# KiCad board InsidePanel.kicad_pcb
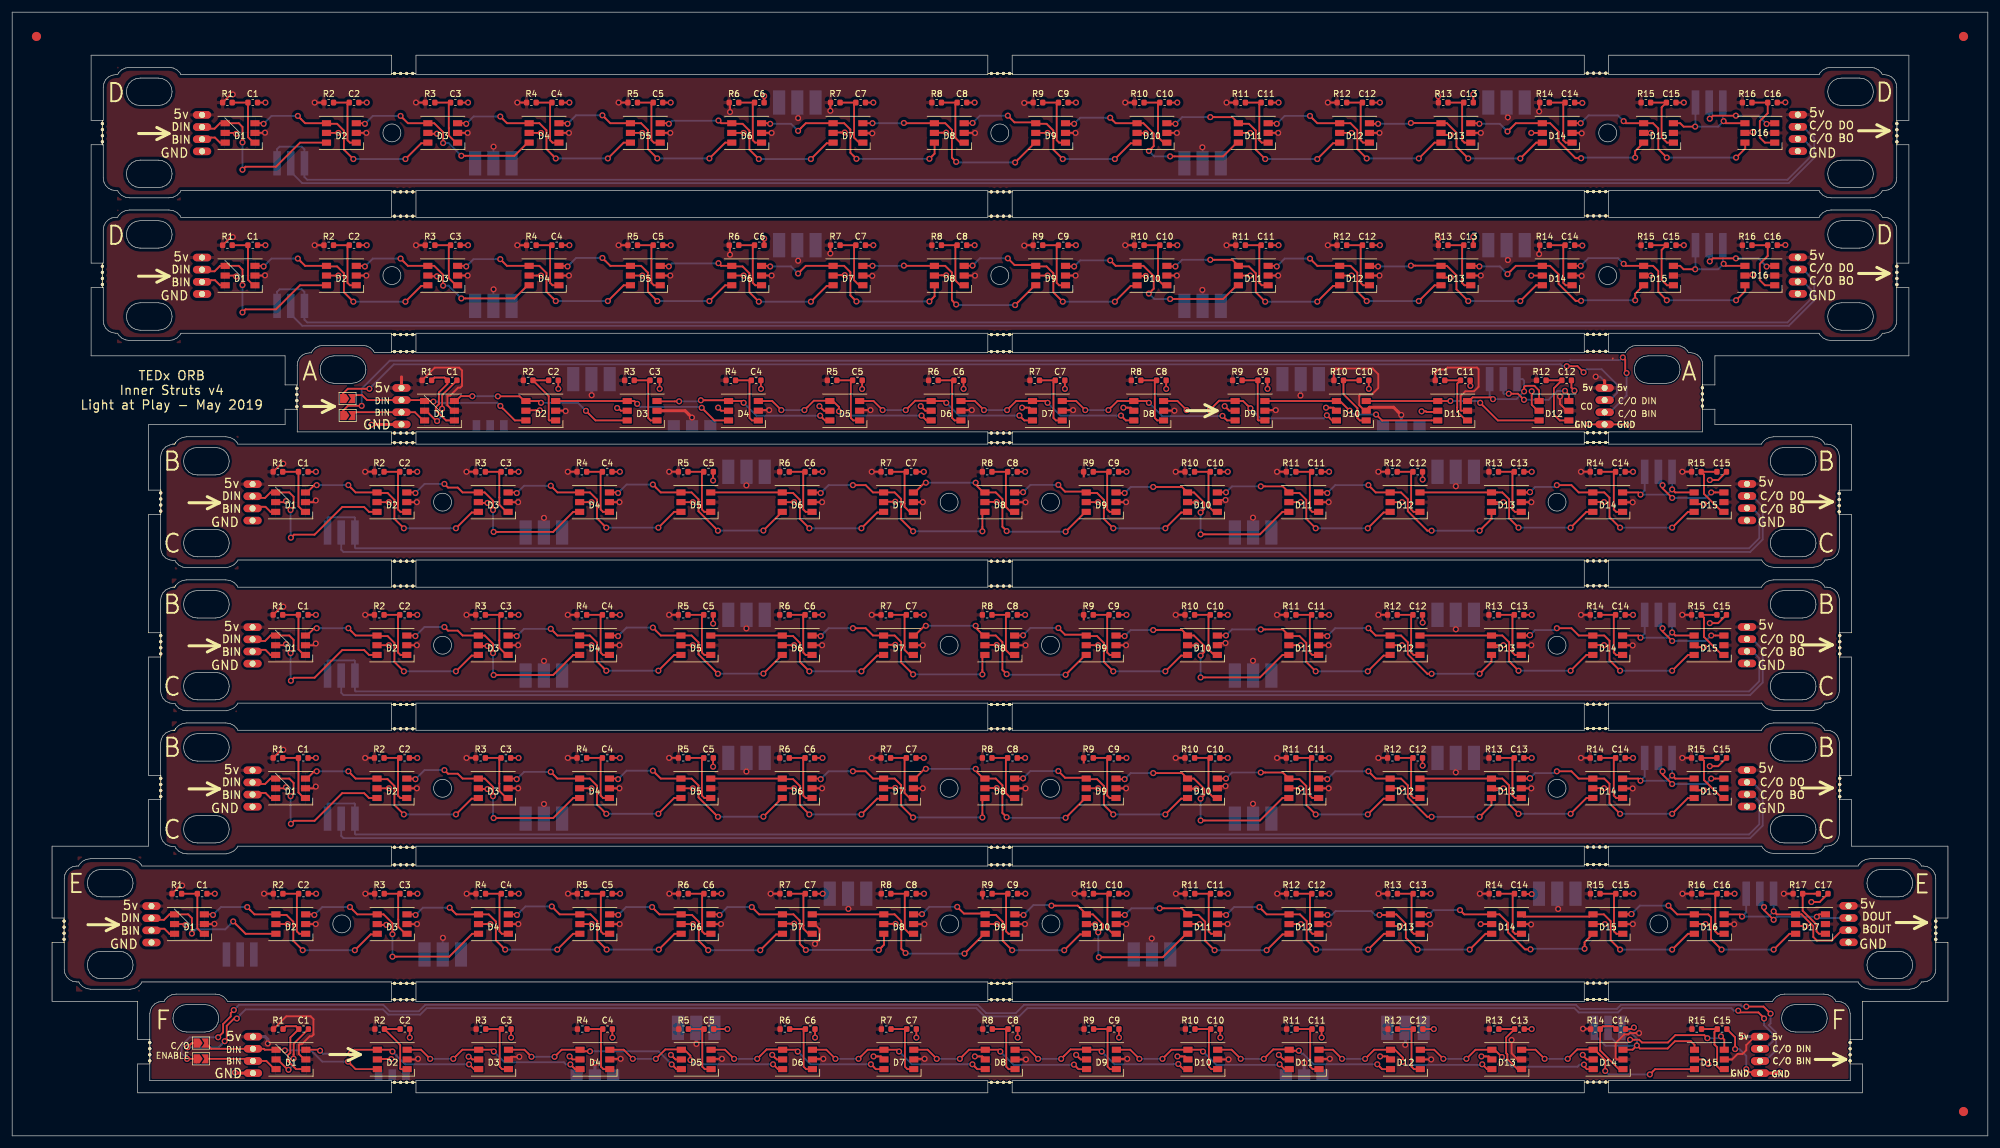
[diagram p0: board, top side]
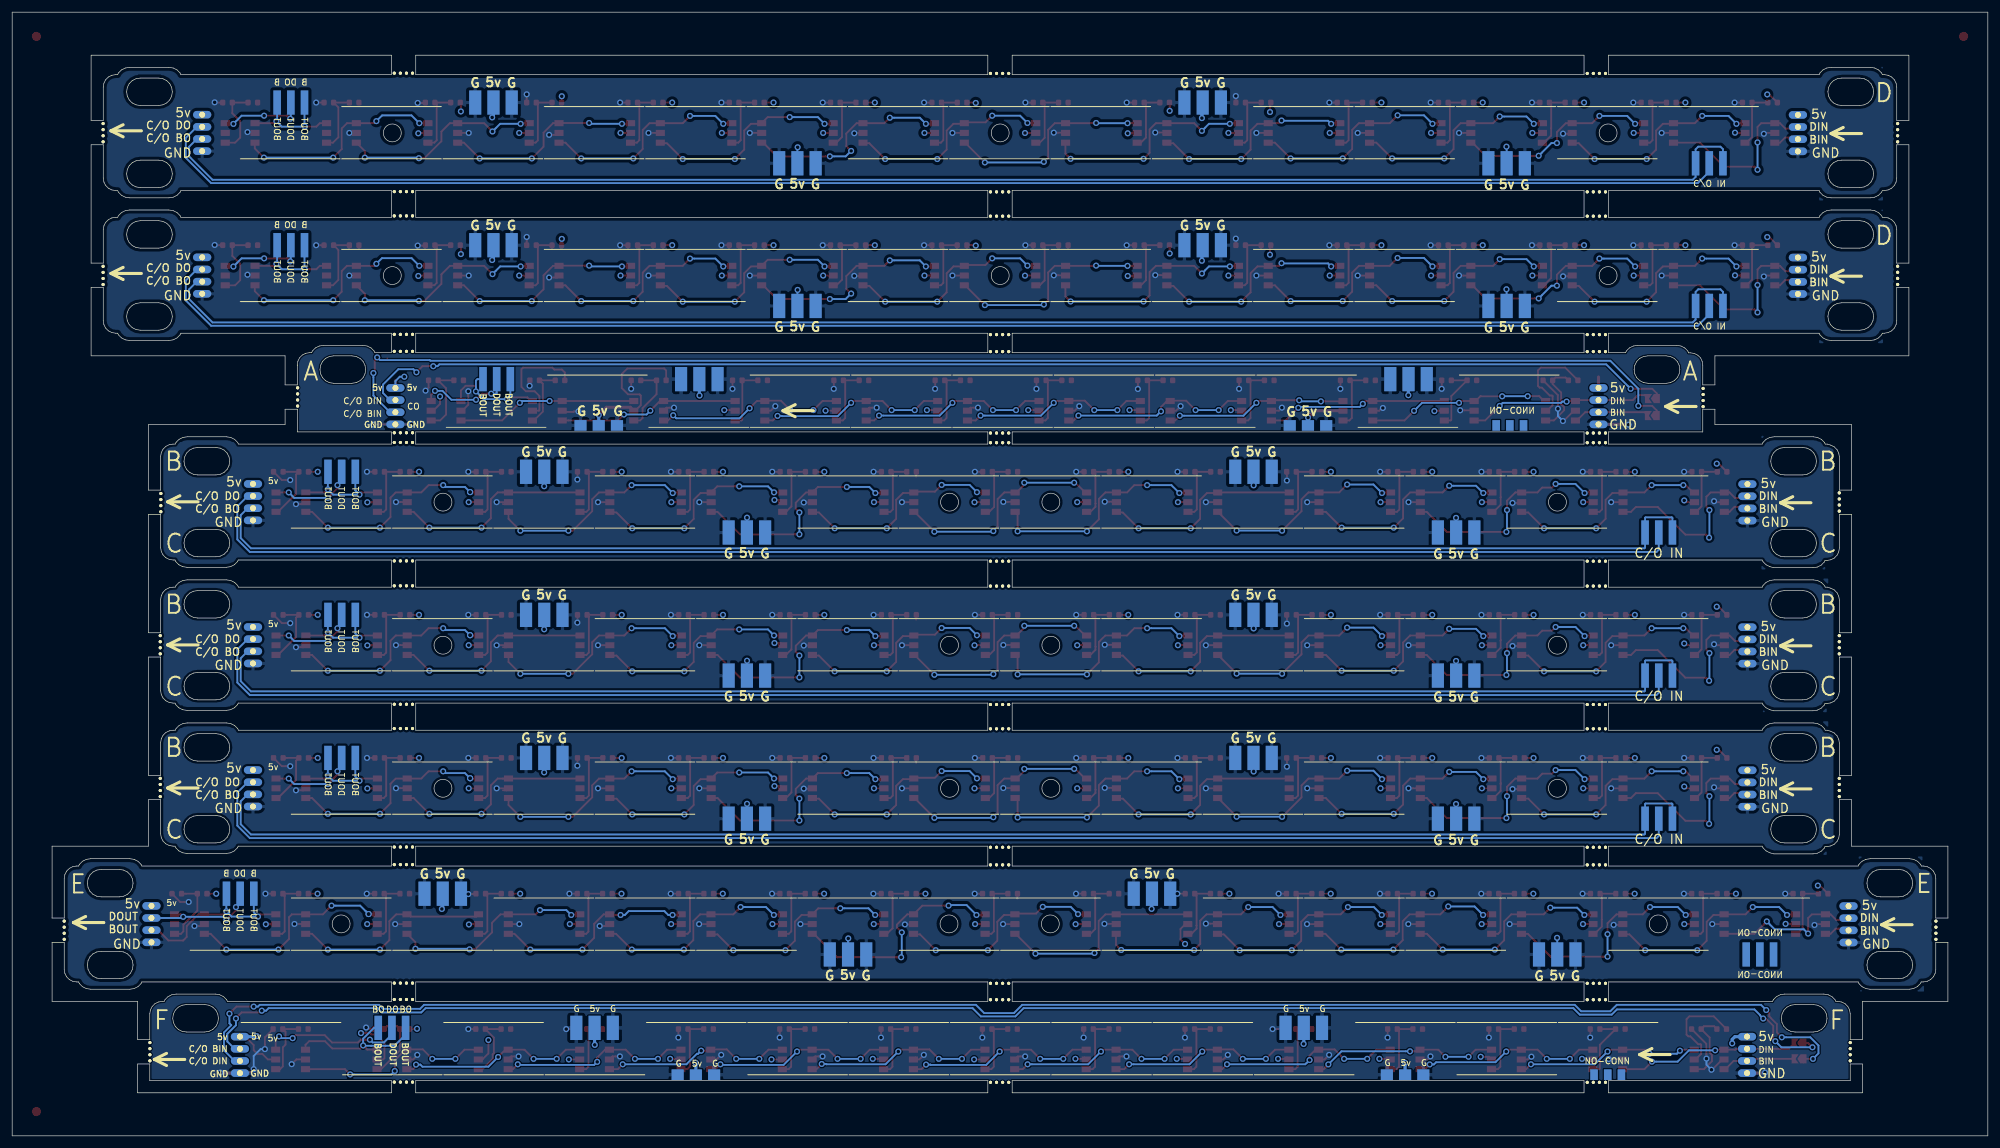
[diagram p1: board, bottom side, seen from below]

Outline 325 x 185 mm; copper layers: Top, Bottom. Coordinates in mm from the lower left corner of the outline.

## Placement (name value [footprint] x y rotation side)
C1  .1uF  [C_0603_1608Metric]  72.38 124.38 0 top
C1#2  .1uF  [C_0603_1608Metric]  47.88 62.22 0 top
C1#3  .1uF  [C_0603_1608Metric]  31.25 39.86 0 top
C1#4  .1uF  [C_0603_1608Metric]  39.58 170.12 0 top
C1#5  .1uF  [C_0603_1608Metric]  47.95 17.58 0 top
C1#6  .1uF  [C_0603_1608Metric]  47.88 85.77 0 top
C1#7  .1uF  [C_0603_1608Metric]  47.88 109.33 0 top
C1#8  .1uF  [C_0603_1608Metric]  39.58 146.63 0 top
C2  .1uF  [C_0603_1608Metric]  89.05 124.38 0 top
C2#2  .1uF  [C_0603_1608Metric]  64.55 62.22 0 top
C2#3  .1uF  [C_0603_1608Metric]  47.92 39.86 0 top
C2#4  .1uF  [C_0603_1608Metric]  56.24 170.12 0 top
C2#5  .1uF  [C_0603_1608Metric]  64.61 17.58 0 top
C2#6  .1uF  [C_0603_1608Metric]  64.55 85.77 0 top
C2#7  .1uF  [C_0603_1608Metric]  64.55 109.33 0 top
C2#8  .1uF  [C_0603_1608Metric]  56.24 146.63 0 top
C3  .1uF  [C_0603_1608Metric]  105.71 124.38 0 top
C3#2  .1uF  [C_0603_1608Metric]  81.22 62.22 0 top
C3#3  .1uF  [C_0603_1608Metric]  64.58 39.86 0 top
C3#4  .1uF  [C_0603_1608Metric]  72.91 170.12 0 top
C3#5  .1uF  [C_0603_1608Metric]  81.28 17.58 0 top
C3#6  .1uF  [C_0603_1608Metric]  81.22 85.77 0 top
C3#7  .1uF  [C_0603_1608Metric]  81.22 109.33 0 top
C3#8  .1uF  [C_0603_1608Metric]  72.91 146.63 0 top
C4  .1uF  [C_0603_1608Metric]  122.38 124.38 0 top
C4#2  .1uF  [C_0603_1608Metric]  97.88 62.22 0 top
C4#3  .1uF  [C_0603_1608Metric]  81.25 39.86 0 top
C4#4  .1uF  [C_0603_1608Metric]  89.58 170.12 0 top
C4#5  .1uF  [C_0603_1608Metric]  97.95 17.58 0 top
C4#6  .1uF  [C_0603_1608Metric]  97.88 85.77 0 top
C4#7  .1uF  [C_0603_1608Metric]  97.88 109.33 0 top
C4#8  .1uF  [C_0603_1608Metric]  89.58 146.63 0 top
C5  .1uF  [C_0603_1608Metric]  139.05 124.38 0 top
C5#2  .1uF  [C_0603_1608Metric]  114.55 62.22 0 top
C5#3  .1uF  [C_0603_1608Metric]  97.92 39.86 0 top
C5#4  .1uF  [C_0603_1608Metric]  106.24 170.12 0 top
C5#5  .1uF  [C_0603_1608Metric]  114.61 17.58 0 top
C5#6  .1uF  [C_0603_1608Metric]  114.55 85.77 0 top
C5#7  .1uF  [C_0603_1608Metric]  114.55 109.33 0 top
C5#8  .1uF  [C_0603_1608Metric]  106.24 146.63 0 top
C6  .1uF  [C_0603_1608Metric]  155.71 124.38 0 top
C6#2  .1uF  [C_0603_1608Metric]  131.22 62.22 0 top
C6#3  .1uF  [C_0603_1608Metric]  114.58 39.86 0 top
C6#4  .1uF  [C_0603_1608Metric]  122.91 170.12 0 top
C6#5  .1uF  [C_0603_1608Metric]  131.28 17.58 0 top
C6#6  .1uF  [C_0603_1608Metric]  131.22 85.77 0 top
C6#7  .1uF  [C_0603_1608Metric]  131.22 109.33 0 top
C6#8  .1uF  [C_0603_1608Metric]  122.91 146.63 0 top
C7  .1uF  [C_0603_1608Metric]  172.38 124.38 0 top
C7#2  .1uF  [C_0603_1608Metric]  147.88 62.22 0 top
C7#3  .1uF  [C_0603_1608Metric]  131.25 39.86 0 top
C7#4  .1uF  [C_0603_1608Metric]  139.58 170.12 0 top
C7#5  .1uF  [C_0603_1608Metric]  147.95 17.58 0 top
C7#6  .1uF  [C_0603_1608Metric]  147.88 85.77 0 top
C7#7  .1uF  [C_0603_1608Metric]  147.88 109.33 0 top
C7#8  .1uF  [C_0603_1608Metric]  139.58 146.63 0 top
C8  .1uF  [C_0603_1608Metric]  189.05 124.38 0 top
C8#2  .1uF  [C_0603_1608Metric]  164.55 62.22 0 top
C8#3  .1uF  [C_0603_1608Metric]  147.92 39.86 0 top
C8#4  .1uF  [C_0603_1608Metric]  156.24 170.12 0 top
C8#5  .1uF  [C_0603_1608Metric]  164.61 17.58 0 top
C8#6  .1uF  [C_0603_1608Metric]  164.55 85.77 0 top
C8#7  .1uF  [C_0603_1608Metric]  164.55 109.33 0 top
C8#8  .1uF  [C_0603_1608Metric]  156.24 146.63 0 top
C9  .1uF  [C_0603_1608Metric]  205.71 124.38 0 top
C9#2  .1uF  [C_0603_1608Metric]  181.22 62.22 0 top
C9#3  .1uF  [C_0603_1608Metric]  164.58 39.86 0 top
C9#4  .1uF  [C_0603_1608Metric]  172.91 170.12 0 top
C9#5  .1uF  [C_0603_1608Metric]  181.28 17.58 0 top
C9#6  .1uF  [C_0603_1608Metric]  181.22 85.77 0 top
C9#7  .1uF  [C_0603_1608Metric]  181.22 109.33 0 top
C9#8  .1uF  [C_0603_1608Metric]  172.91 146.63 0 top
C10  .1uF  [C_0603_1608Metric]  222.38 124.38 0 top
C10#2  .1uF  [C_0603_1608Metric]  197.88 62.22 0 top
C10#3  .1uF  [C_0603_1608Metric]  181.25 39.86 0 top
C10#4  .1uF  [C_0603_1608Metric]  189.58 170.12 0 top
C10#5  .1uF  [C_0603_1608Metric]  197.95 17.58 0 top
C10#6  .1uF  [C_0603_1608Metric]  197.88 85.77 0 top
C10#7  .1uF  [C_0603_1608Metric]  197.88 109.33 0 top
C10#8  .1uF  [C_0603_1608Metric]  189.58 146.63 0 top
C11  .1uF  [C_0603_1608Metric]  239.05 124.38 0 top
C11#2  .1uF  [C_0603_1608Metric]  214.55 62.22 0 top
C11#3  .1uF  [C_0603_1608Metric]  197.92 39.86 0 top
C11#4  .1uF  [C_0603_1608Metric]  206.24 170.12 0 top
C11#5  .1uF  [C_0603_1608Metric]  214.61 17.58 0 top
C11#6  .1uF  [C_0603_1608Metric]  214.55 85.77 0 top
C11#7  .1uF  [C_0603_1608Metric]  214.55 109.33 0 top
C11#8  .1uF  [C_0603_1608Metric]  206.24 146.63 0 top
C12  .1uF  [C_0603_1608Metric]  255.71 124.38 0 top
C12#2  .1uF  [C_0603_1608Metric]  231.22 62.22 0 top
C12#3  .1uF  [C_0603_1608Metric]  214.58 39.86 0 top
C12#4  .1uF  [C_0603_1608Metric]  222.91 170.12 0 top
C12#5  .1uF  [C_0603_1608Metric]  231.28 17.58 0 top
C12#6  .1uF  [C_0603_1608Metric]  231.22 85.77 0 top
C12#7  .1uF  [C_0603_1608Metric]  231.22 109.33 0 top
C12#8  .1uF  [C_0603_1608Metric]  222.91 146.63 0 top
C13  .1uF  [C_0603_1608Metric]  247.88 62.22 0 top
C13#2  .1uF  [C_0603_1608Metric]  231.25 39.86 0 top
C13#3  .1uF  [C_0603_1608Metric]  239.58 170.12 0 top
C13#4  .1uF  [C_0603_1608Metric]  247.95 17.58 0 top
C13#5  .1uF  [C_0603_1608Metric]  247.88 85.77 0 top
C13#6  .1uF  [C_0603_1608Metric]  247.88 109.33 0 top
C13#7  .1uF  [C_0603_1608Metric]  239.58 146.63 0 top
C14  .1uF  [C_0603_1608Metric]  264.55 62.22 0 top
C14#2  .1uF  [C_0603_1608Metric]  247.92 39.86 0 top
C14#3  .1uF  [C_0603_1608Metric]  256.24 170.12 0 top
C14#4  .1uF  [C_0603_1608Metric]  264.61 17.58 0 top
C14#5  .1uF  [C_0603_1608Metric]  264.55 85.77 0 top
C14#6  .1uF  [C_0603_1608Metric]  264.55 109.33 0 top
C14#7  .1uF  [C_0603_1608Metric]  256.24 146.63 0 top
C15  .1uF  [C_0603_1608Metric]  281.22 62.22 0 top
C15#2  .1uF  [C_0603_1608Metric]  264.58 39.86 0 top
C15#3  .1uF  [C_0603_1608Metric]  272.91 170.12 0 top
C15#4  .1uF  [C_0603_1608Metric]  281.28 17.58 0 top
C15#5  .1uF  [C_0603_1608Metric]  281.22 85.77 0 top
C15#6  .1uF  [C_0603_1608Metric]  281.22 109.33 0 top
C15#7  .1uF  [C_0603_1608Metric]  272.91 146.63 0 top
C16  .1uF  [C_0603_1608Metric]  281.25 39.86 0 top
C16#2  .1uF  [C_0603_1608Metric]  289.58 170.12 0 top
C16#3  .1uF  [C_0603_1608Metric]  289.58 146.63 0 top
C17  .1uF  [C_0603_1608Metric]  297.92 39.86 0 top
D1  WS2813  [LED_WS2812_PLCC6_5.0x5.0mm_P1.6mm]  70.3 119.38 180 top
D1#2  WS2813  [LED_WS2812_PLCC6_5.0x5.0mm_P1.6mm]  45.8 57.22 180 top
D1#3  WS2813  [LED_WS2812_PLCC6_5.0x5.0mm_P1.6mm]  29.17 34.86 180 top
D1#4  WS2813  [LED_WS2812_PLCC6_5.0x5.0mm_P1.6mm]  37.49 165.12 180 top
D1#5  WS2813  [LED_WS2812_PLCC6_5.0x5.0mm_P1.6mm]  45.86 12.58 180 top
D1#6  WS2813  [LED_WS2812_PLCC6_5.0x5.0mm_P1.6mm]  45.8 80.77 180 top
D1#7  WS2813  [LED_WS2812_PLCC6_5.0x5.0mm_P1.6mm]  45.8 104.33 180 top
D1#8  WS2813  [LED_WS2812_PLCC6_5.0x5.0mm_P1.6mm]  37.49 141.63 180 top
D2  WS2813  [LED_WS2812_PLCC6_5.0x5.0mm_P1.6mm]  86.96 119.38 180 top
D2#2  WS2813  [LED_WS2812_PLCC6_5.0x5.0mm_P1.6mm]  62.47 57.22 180 top
D2#3  WS2813  [LED_WS2812_PLCC6_5.0x5.0mm_P1.6mm]  45.83 34.86 180 top
D2#4  WS2813  [LED_WS2812_PLCC6_5.0x5.0mm_P1.6mm]  54.16 165.12 180 top
D2#5  WS2813  [LED_WS2812_PLCC6_5.0x5.0mm_P1.6mm]  62.53 12.58 180 top
D2#6  WS2813  [LED_WS2812_PLCC6_5.0x5.0mm_P1.6mm]  62.47 80.77 180 top
D2#7  WS2813  [LED_WS2812_PLCC6_5.0x5.0mm_P1.6mm]  62.47 104.33 180 top
D2#8  WS2813  [LED_WS2812_PLCC6_5.0x5.0mm_P1.6mm]  54.16 141.63 180 top
D3  WS2813  [LED_WS2812_PLCC6_5.0x5.0mm_P1.6mm]  103.63 119.38 180 top
D3#2  WS2813  [LED_WS2812_PLCC6_5.0x5.0mm_P1.6mm]  79.13 57.22 180 top
D3#3  WS2813  [LED_WS2812_PLCC6_5.0x5.0mm_P1.6mm]  62.5 34.86 180 top
D3#4  WS2813  [LED_WS2812_PLCC6_5.0x5.0mm_P1.6mm]  70.83 165.12 180 top
D3#5  WS2813  [LED_WS2812_PLCC6_5.0x5.0mm_P1.6mm]  79.2 12.58 180 top
D3#6  WS2813  [LED_WS2812_PLCC6_5.0x5.0mm_P1.6mm]  79.13 80.77 180 top
D3#7  WS2813  [LED_WS2812_PLCC6_5.0x5.0mm_P1.6mm]  79.13 104.33 180 top
D3#8  WS2813  [LED_WS2812_PLCC6_5.0x5.0mm_P1.6mm]  70.83 141.63 180 top
D4  WS2813  [LED_WS2812_PLCC6_5.0x5.0mm_P1.6mm]  120.3 119.38 180 top
D4#2  WS2813  [LED_WS2812_PLCC6_5.0x5.0mm_P1.6mm]  95.8 57.22 180 top
D4#3  WS2813  [LED_WS2812_PLCC6_5.0x5.0mm_P1.6mm]  79.17 34.86 180 top
D4#4  WS2813  [LED_WS2812_PLCC6_5.0x5.0mm_P1.6mm]  87.49 165.12 180 top
D4#5  WS2813  [LED_WS2812_PLCC6_5.0x5.0mm_P1.6mm]  95.86 12.58 180 top
D4#6  WS2813  [LED_WS2812_PLCC6_5.0x5.0mm_P1.6mm]  95.8 80.77 180 top
D4#7  WS2813  [LED_WS2812_PLCC6_5.0x5.0mm_P1.6mm]  95.8 104.33 180 top
D4#8  WS2813  [LED_WS2812_PLCC6_5.0x5.0mm_P1.6mm]  87.49 141.63 180 top
D5  WS2813  [LED_WS2812_PLCC6_5.0x5.0mm_P1.6mm]  136.96 119.38 180 top
D5#2  WS2813  [LED_WS2812_PLCC6_5.0x5.0mm_P1.6mm]  112.47 57.22 180 top
D5#3  WS2813  [LED_WS2812_PLCC6_5.0x5.0mm_P1.6mm]  95.83 34.86 180 top
D5#4  WS2813  [LED_WS2812_PLCC6_5.0x5.0mm_P1.6mm]  104.16 165.12 180 top
D5#5  WS2813  [LED_WS2812_PLCC6_5.0x5.0mm_P1.6mm]  112.53 12.58 180 top
D5#6  WS2813  [LED_WS2812_PLCC6_5.0x5.0mm_P1.6mm]  112.47 80.77 180 top
D5#7  WS2813  [LED_WS2812_PLCC6_5.0x5.0mm_P1.6mm]  112.47 104.33 180 top
D5#8  WS2813  [LED_WS2812_PLCC6_5.0x5.0mm_P1.6mm]  104.16 141.63 180 top
D6  WS2813  [LED_WS2812_PLCC6_5.0x5.0mm_P1.6mm]  153.63 119.38 180 top
D6#2  WS2813  [LED_WS2812_PLCC6_5.0x5.0mm_P1.6mm]  129.13 57.22 180 top
D6#3  WS2813  [LED_WS2812_PLCC6_5.0x5.0mm_P1.6mm]  112.5 34.86 180 top
D6#4  WS2813  [LED_WS2812_PLCC6_5.0x5.0mm_P1.6mm]  120.83 165.12 180 top
D6#5  WS2813  [LED_WS2812_PLCC6_5.0x5.0mm_P1.6mm]  129.2 12.58 180 top
D6#6  WS2813  [LED_WS2812_PLCC6_5.0x5.0mm_P1.6mm]  129.13 80.77 180 top
D6#7  WS2813  [LED_WS2812_PLCC6_5.0x5.0mm_P1.6mm]  129.13 104.33 180 top
D6#8  WS2813  [LED_WS2812_PLCC6_5.0x5.0mm_P1.6mm]  120.83 141.63 180 top
D7  WS2813  [LED_WS2812_PLCC6_5.0x5.0mm_P1.6mm]  170.3 119.38 180 top
D7#2  WS2813  [LED_WS2812_PLCC6_5.0x5.0mm_P1.6mm]  145.8 57.22 180 top
D7#3  WS2813  [LED_WS2812_PLCC6_5.0x5.0mm_P1.6mm]  129.17 34.86 180 top
D7#4  WS2813  [LED_WS2812_PLCC6_5.0x5.0mm_P1.6mm]  137.49 165.12 180 top
D7#5  WS2813  [LED_WS2812_PLCC6_5.0x5.0mm_P1.6mm]  145.86 12.58 180 top
D7#6  WS2813  [LED_WS2812_PLCC6_5.0x5.0mm_P1.6mm]  145.8 80.77 180 top
D7#7  WS2813  [LED_WS2812_PLCC6_5.0x5.0mm_P1.6mm]  145.8 104.33 180 top
D7#8  WS2813  [LED_WS2812_PLCC6_5.0x5.0mm_P1.6mm]  137.49 141.63 180 top
D8  WS2813  [LED_WS2812_PLCC6_5.0x5.0mm_P1.6mm]  186.96 119.38 180 top
D8#2  WS2813  [LED_WS2812_PLCC6_5.0x5.0mm_P1.6mm]  162.47 57.22 180 top
D8#3  WS2813  [LED_WS2812_PLCC6_5.0x5.0mm_P1.6mm]  145.83 34.86 180 top
D8#4  WS2813  [LED_WS2812_PLCC6_5.0x5.0mm_P1.6mm]  154.16 165.12 180 top
D8#5  WS2813  [LED_WS2812_PLCC6_5.0x5.0mm_P1.6mm]  162.53 12.58 180 top
D8#6  WS2813  [LED_WS2812_PLCC6_5.0x5.0mm_P1.6mm]  162.47 80.77 180 top
D8#7  WS2813  [LED_WS2812_PLCC6_5.0x5.0mm_P1.6mm]  162.47 104.33 180 top
D8#8  WS2813  [LED_WS2812_PLCC6_5.0x5.0mm_P1.6mm]  154.16 141.63 180 top
D9  WS2813  [LED_WS2812_PLCC6_5.0x5.0mm_P1.6mm]  203.63 119.38 180 top
D9#2  WS2813  [LED_WS2812_PLCC6_5.0x5.0mm_P1.6mm]  179.13 57.22 180 top
D9#3  WS2813  [LED_WS2812_PLCC6_5.0x5.0mm_P1.6mm]  162.5 34.86 180 top
D9#4  WS2813  [LED_WS2812_PLCC6_5.0x5.0mm_P1.6mm]  170.83 165.12 180 top
D9#5  WS2813  [LED_WS2812_PLCC6_5.0x5.0mm_P1.6mm]  179.2 12.58 180 top
D9#6  WS2813  [LED_WS2812_PLCC6_5.0x5.0mm_P1.6mm]  179.13 80.77 180 top
D9#7  WS2813  [LED_WS2812_PLCC6_5.0x5.0mm_P1.6mm]  179.13 104.33 180 top
D9#8  WS2813  [LED_WS2812_PLCC6_5.0x5.0mm_P1.6mm]  170.83 141.63 180 top
D10  WS2813  [LED_WS2812_PLCC6_5.0x5.0mm_P1.6mm]  220.3 119.38 180 top
D10#2  WS2813  [LED_WS2812_PLCC6_5.0x5.0mm_P1.6mm]  195.8 57.22 180 top
D10#3  WS2813  [LED_WS2812_PLCC6_5.0x5.0mm_P1.6mm]  179.17 34.86 180 top
D10#4  WS2813  [LED_WS2812_PLCC6_5.0x5.0mm_P1.6mm]  187.49 165.12 180 top
D10#5  WS2813  [LED_WS2812_PLCC6_5.0x5.0mm_P1.6mm]  195.86 12.58 180 top
D10#6  WS2813  [LED_WS2812_PLCC6_5.0x5.0mm_P1.6mm]  195.8 80.77 180 top
D10#7  WS2813  [LED_WS2812_PLCC6_5.0x5.0mm_P1.6mm]  195.8 104.33 180 top
D10#8  WS2813  [LED_WS2812_PLCC6_5.0x5.0mm_P1.6mm]  187.49 141.63 180 top
D11  WS2813  [LED_WS2812_PLCC6_5.0x5.0mm_P1.6mm]  236.96 119.38 180 top
D11#2  WS2813  [LED_WS2812_PLCC6_5.0x5.0mm_P1.6mm]  212.47 57.22 180 top
D11#3  WS2813  [LED_WS2812_PLCC6_5.0x5.0mm_P1.6mm]  195.83 34.86 180 top
D11#4  WS2813  [LED_WS2812_PLCC6_5.0x5.0mm_P1.6mm]  204.16 165.12 180 top
D11#5  WS2813  [LED_WS2812_PLCC6_5.0x5.0mm_P1.6mm]  212.53 12.58 180 top
D11#6  WS2813  [LED_WS2812_PLCC6_5.0x5.0mm_P1.6mm]  212.47 80.77 180 top
D11#7  WS2813  [LED_WS2812_PLCC6_5.0x5.0mm_P1.6mm]  212.47 104.33 180 top
D11#8  WS2813  [LED_WS2812_PLCC6_5.0x5.0mm_P1.6mm]  204.16 141.63 180 top
D12  WS2813  [LED_WS2812_PLCC6_5.0x5.0mm_P1.6mm]  253.63 119.38 180 top
D12#2  WS2813  [LED_WS2812_PLCC6_5.0x5.0mm_P1.6mm]  229.13 57.22 180 top
D12#3  WS2813  [LED_WS2812_PLCC6_5.0x5.0mm_P1.6mm]  212.5 34.86 180 top
D12#4  WS2813  [LED_WS2812_PLCC6_5.0x5.0mm_P1.6mm]  220.83 165.12 180 top
D12#5  WS2813  [LED_WS2812_PLCC6_5.0x5.0mm_P1.6mm]  229.2 12.58 180 top
D12#6  WS2813  [LED_WS2812_PLCC6_5.0x5.0mm_P1.6mm]  229.13 80.77 180 top
D12#7  WS2813  [LED_WS2812_PLCC6_5.0x5.0mm_P1.6mm]  229.13 104.33 180 top
D12#8  WS2813  [LED_WS2812_PLCC6_5.0x5.0mm_P1.6mm]  220.83 141.63 180 top
D13  WS2813  [LED_WS2812_PLCC6_5.0x5.0mm_P1.6mm]  245.8 57.22 180 top
D13#2  WS2813  [LED_WS2812_PLCC6_5.0x5.0mm_P1.6mm]  229.17 34.86 180 top
D13#3  WS2813  [LED_WS2812_PLCC6_5.0x5.0mm_P1.6mm]  237.49 165.12 180 top
D13#4  WS2813  [LED_WS2812_PLCC6_5.0x5.0mm_P1.6mm]  245.86 12.58 180 top
D13#5  WS2813  [LED_WS2812_PLCC6_5.0x5.0mm_P1.6mm]  245.8 80.77 180 top
D13#6  WS2813  [LED_WS2812_PLCC6_5.0x5.0mm_P1.6mm]  245.8 104.33 180 top
D13#7  WS2813  [LED_WS2812_PLCC6_5.0x5.0mm_P1.6mm]  237.49 141.63 180 top
D14  WS2813  [LED_WS2812_PLCC6_5.0x5.0mm_P1.6mm]  262.47 57.22 180 top
D14#2  WS2813  [LED_WS2812_PLCC6_5.0x5.0mm_P1.6mm]  245.83 34.86 180 top
D14#3  WS2813  [LED_WS2812_PLCC6_5.0x5.0mm_P1.6mm]  254.16 165.12 180 top
D14#4  WS2813  [LED_WS2812_PLCC6_5.0x5.0mm_P1.6mm]  262.53 12.58 180 top
D14#5  WS2813  [LED_WS2812_PLCC6_5.0x5.0mm_P1.6mm]  262.47 80.77 180 top
D14#6  WS2813  [LED_WS2812_PLCC6_5.0x5.0mm_P1.6mm]  262.47 104.33 180 top
D14#7  WS2813  [LED_WS2812_PLCC6_5.0x5.0mm_P1.6mm]  254.16 141.63 180 top
D15  WS2813  [LED_WS2812_PLCC6_5.0x5.0mm_P1.6mm]  279.13 57.22 180 top
D15#2  WS2813  [LED_WS2812_PLCC6_5.0x5.0mm_P1.6mm]  262.5 34.86 180 top
D15#3  WS2813  [LED_WS2812_PLCC6_5.0x5.0mm_P1.6mm]  270.83 165.12 180 top
D15#4  WS2813  [LED_WS2812_PLCC6_5.0x5.0mm_P1.6mm]  279.2 12.58 180 top
D15#5  WS2813  [LED_WS2812_PLCC6_5.0x5.0mm_P1.6mm]  279.13 80.77 180 top
D15#6  WS2813  [LED_WS2812_PLCC6_5.0x5.0mm_P1.6mm]  279.13 104.33 180 top
D15#7  WS2813  [LED_WS2812_PLCC6_5.0x5.0mm_P1.6mm]  270.83 141.63 180 top
D16  WS2813  [LED_WS2812_PLCC6_5.0x5.0mm_P1.6mm]  279.17 34.86 180 top
D16#2  WS2813  [LED_WS2812_PLCC6_5.0x5.0mm_P1.6mm]  287.49 165.12 180 top
D16#3  WS2813  [LED_WS2812_PLCC6_5.0x5.0mm_P1.6mm]  287.49 141.63 180 top
D17  WS2813  [LED_WS2812_PLCC6_5.0x5.0mm_P1.6mm]  295.83 34.86 180 top
J1  IN  [TEDX_INNER_4]  64.05 120.13 0 top
J1#2  IN  [TEDX_INNER_4]  39.55 57.19 0 top
J1#3  IN  [TEDX_INNER_4]  22.92 34.83 0 top
J1#4  IN  [TEDX_INNER_4]  31.24 165.08 0 top
J1#5  IN  [TEDX_INNER_4]  39.61 13.33 0 top
J1#6  IN  [TEDX_INNER_4]  39.55 80.74 0 top
J1#7  IN  [TEDX_INNER_4]  39.55 104.3 0 top
J1#8  IN  [TEDX_INNER_4]  31.24 141.6 0 top
J2  DAT_BRIDGE  [TEDX_DAT_BRIDGE_TALL]  54.13 50.22 0 bottom
J2#2  CO_BRIDGE  [TEDX_DAT_BRIDGE_TALL]  45.83 158.12 0 bottom
J2#3  DAT_BRIDGE  [TEDX_DAT_BRIDGE_TALL]  54.13 73.77 0 bottom
J2#4  DAT_BRIDGE  [TEDX_DAT_BRIDGE_TALL]  54.13 97.33 0 bottom
J2#5  PWR_BRIDGE2  [TEDX_PWR_BRIDGE]  111.84 115.61 0 bottom
J2#6  PWR_BRIDGE2  [TEDX_PWR_BRIDGE]  228.51 115.61 0 bottom
J2#7  PWR_BRIDGE2  [TEDX_PWR_BRIDGE]  212.53 8.72 0 bottom
J2#8  PWR_BRIDGE2  [TEDX_PWR_BRIDGE]  95.86 8.72 0 bottom
J2#9  CO_BRIDGE  [TEDX_DAT_BRIDGE_TALL]  45.83 134.63 0 bottom
J3  PWR_BRIDGE  [TEDX_PWR_BRIDGE_TALL]  237.47 60.22 0 bottom
J3#2  PWR_BRIDGE  [TEDX_PWR_BRIDGE_TALL]  254.17 37.86 0 bottom
J3#3  PWR_BRIDGE  [TEDX_PWR_BRIDGE_TALL]  245.83 168.12 0 bottom
J3#4  PWR_BRIDGE  [TEDX_PWR_BRIDGE_TALL]  204.13 50.22 0 bottom
J3#5  PWR_BRIDGE  [TEDX_PWR_BRIDGE_TALL]  187.5 27.86 0 bottom
J3#6  PWR_BRIDGE  [TEDX_PWR_BRIDGE_TALL]  195.83 158.12 0 bottom
J3#7  PWR_BRIDGE  [TEDX_PWR_BRIDGE_TALL]  87.47 50.22 0 bottom
J3#8  PWR_BRIDGE  [TEDX_PWR_BRIDGE_TALL]  70.83 27.86 0 bottom
J3#9  PWR_BRIDGE  [TEDX_PWR_BRIDGE_TALL]  79.16 158.12 0 bottom
J3#10  PWR_BRIDGE  [TEDX_PWR_BRIDGE_TALL]  120.8 60.22 0 bottom
J3#11  PWR_BRIDGE  [TEDX_PWR_BRIDGE_TALL]  137.5 37.86 0 bottom
J3#12  PWR_BRIDGE  [TEDX_PWR_BRIDGE_TALL]  129.16 168.12 0 bottom
J3#13  PWR_BRIDGE  [TEDX_PWR_BRIDGE_TALL]  237.47 83.77 0 bottom
J3#14  PWR_BRIDGE  [TEDX_PWR_BRIDGE_TALL]  120.8 83.77 0 bottom
J3#15  PWR_BRIDGE  [TEDX_PWR_BRIDGE_TALL]  204.13 73.77 0 bottom
J3#16  PWR_BRIDGE  [TEDX_PWR_BRIDGE_TALL]  87.47 73.77 0 bottom
J3#17  PWR_BRIDGE  [TEDX_PWR_BRIDGE_TALL]  237.47 107.33 0 bottom
J3#18  PWR_BRIDGE  [TEDX_PWR_BRIDGE_TALL]  120.8 107.33 0 bottom
J3#19  PWR_BRIDGE  [TEDX_PWR_BRIDGE_TALL]  204.13 97.33 0 bottom
J3#20  PWR_BRIDGE  [TEDX_PWR_BRIDGE_TALL]  87.47 97.33 0 bottom
J3#21  PWR_BRIDGE  [TEDX_PWR_BRIDGE_TALL]  195.83 134.63 0 bottom
J3#22  PWR_BRIDGE  [TEDX_PWR_BRIDGE_TALL]  79.16 134.63 0 bottom
J3#23  PWR_BRIDGE  [TEDX_PWR_BRIDGE_TALL]  245.83 144.63 0 bottom
J3#24  PWR_BRIDGE  [TEDX_PWR_BRIDGE_TALL]  129.16 144.63 0 bottom
J4  PWR_BRIDGE  [TEDX_PWR_BRIDGE_TALL]  95.3 122.58 0 bottom
J4#2  PWR_BRIDGE  [TEDX_PWR_BRIDGE_TALL]  112.53 15.78 0 bottom
J4#3  DAT_BRIDGE  [TEDX_DAT_BRIDGE_TALL]  270.8 60.22 0 bottom
J4#4  DAT_BRIDGE  [TEDX_DAT_BRIDGE_TALL]  287.5 37.86 0 bottom
J4#5  DAT_BRIDGE  [TEDX_DAT_BRIDGE_TALL]  279.16 168.12 0 bottom
J4#6  PWR_BRIDGE  [TEDX_PWR_BRIDGE_TALL]  211.96 122.58 0 bottom
J4#7  PWR_BRIDGE  [TEDX_PWR_BRIDGE_TALL]  229.19 15.78 0 bottom
J4#8  DAT_BRIDGE  [TEDX_DAT_BRIDGE_TALL]  37.5 27.86 0 bottom
J4#9  DAT_BRIDGE  [TEDX_DAT_BRIDGE_TALL]  270.8 83.77 0 bottom
J4#10  DAT_BRIDGE  [TEDX_DAT_BRIDGE_TALL]  270.8 107.33 0 bottom
J4#11  DAT_BRIDGE  [TEDX_DAT_BRIDGE_TALL]  279.16 144.63 0 bottom
J5  OUT  [TEDX_INNER_4]  285.38 57.22 0 top
J5#2  OUT  [TEDX_INNER_4]  302.08 34.86 0 top
J5#3  OUT  [TEDX_INNER_4]  293.74 165.12 0 top
J5#4  OUT  [TEDX_INNER_4]  287.53 13.33 0 top
J5#5  OUT  [TEDX_INNER_4]  261.96 120.13 0 top
J5#6  OUT  [TEDX_INNER_4]  285.38 80.77 0 top
J5#7  OUT  [TEDX_INNER_4]  285.38 104.33 0 top
J5#8  OUT  [TEDX_INNER_4]  293.74 141.63 0 top
J6  DAT_BRIDGE  [TEDX_DAT_BRIDGE_TALL]  245.29 122.58 0 bottom
J6#2  DAT_BRIDGE  [TEDX_DAT_BRIDGE_TALL]  262.53 15.78 0 bottom
JP3  CO_DIN_ENABLE  [SolderJumper-2_P1.3mm_Open_TrianglePad1.0x1.5mm]  55.17 121.38 0 top
JP3#2  CO_DIN_ENABLE  [SolderJumper-2_P1.3mm_Open_TrianglePad1.0x1.5mm]  31.06 15.28 0 top
JP4  CO_BIN_ENABLE  [SolderJumper-2_P1.3mm_Open_TrianglePad1.0x1.5mm]  55.2 118.58 0 top
JP4#2  CO_BIN_ENABLE  [SolderJumper-2_P1.3mm_Open_TrianglePad1.0x1.5mm]  31.06 12.68 0 top
R1  330  [R_0603_1608Metric]  68.21 124.38 0 top
R1#2  330  [R_0603_1608Metric]  43.72 62.22 0 top
R1#3  330  [R_0603_1608Metric]  27.08 39.86 0 top
R1#4  330  [R_0603_1608Metric]  35.41 170.12 0 top
R1#5  330  [R_0603_1608Metric]  43.78 17.58 0 top
R1#6  330  [R_0603_1608Metric]  43.72 85.77 0 top
R1#7  330  [R_0603_1608Metric]  43.72 109.33 0 top
R1#8  330  [R_0603_1608Metric]  35.41 146.63 0 top
R2  330  [R_0603_1608Metric]  84.88 124.38 0 top
R2#2  330  [R_0603_1608Metric]  60.38 62.22 0 top
R2#3  330  [R_0603_1608Metric]  43.75 39.86 0 top
R2#4  330  [R_0603_1608Metric]  52.08 170.12 0 top
R2#5  330  [R_0603_1608Metric]  60.45 17.58 0 top
R2#6  330  [R_0603_1608Metric]  60.38 85.77 0 top
R2#7  330  [R_0603_1608Metric]  60.38 109.33 0 top
R2#8  330  [R_0603_1608Metric]  52.08 146.63 0 top
R3  330  [R_0603_1608Metric]  101.55 124.38 0 top
R3#2  330  [R_0603_1608Metric]  77.05 62.22 0 top
R3#3  330  [R_0603_1608Metric]  60.42 39.86 0 top
R3#4  330  [R_0603_1608Metric]  68.74 170.12 0 top
R3#5  330  [R_0603_1608Metric]  77.11 17.58 0 top
R3#6  330  [R_0603_1608Metric]  77.05 85.77 0 top
R3#7  330  [R_0603_1608Metric]  77.05 109.33 0 top
R3#8  330  [R_0603_1608Metric]  68.74 146.63 0 top
R4  330  [R_0603_1608Metric]  118.21 124.38 0 top
R4#2  330  [R_0603_1608Metric]  93.72 62.22 0 top
R4#3  330  [R_0603_1608Metric]  77.08 39.86 0 top
R4#4  330  [R_0603_1608Metric]  85.41 170.12 0 top
R4#5  330  [R_0603_1608Metric]  93.78 17.58 0 top
R4#6  330  [R_0603_1608Metric]  93.72 85.77 0 top
R4#7  330  [R_0603_1608Metric]  93.72 109.33 0 top
R4#8  330  [R_0603_1608Metric]  85.41 146.63 0 top
R5  330  [R_0603_1608Metric]  134.88 124.38 0 top
R5#2  330  [R_0603_1608Metric]  110.38 62.22 0 top
R5#3  330  [R_0603_1608Metric]  93.75 39.86 0 top
R5#4  330  [R_0603_1608Metric]  102.08 170.12 0 top
R5#5  330  [R_0603_1608Metric]  110.45 17.58 0 top
R5#6  330  [R_0603_1608Metric]  110.38 85.77 0 top
R5#7  330  [R_0603_1608Metric]  110.38 109.33 0 top
R5#8  330  [R_0603_1608Metric]  102.08 146.63 0 top
R6  330  [R_0603_1608Metric]  151.55 124.38 0 top
R6#2  330  [R_0603_1608Metric]  127.05 62.22 0 top
R6#3  330  [R_0603_1608Metric]  110.42 39.86 0 top
R6#4  330  [R_0603_1608Metric]  118.74 170.12 0 top
R6#5  330  [R_0603_1608Metric]  127.11 17.58 0 top
R6#6  330  [R_0603_1608Metric]  127.05 85.77 0 top
R6#7  330  [R_0603_1608Metric]  127.05 109.33 0 top
R6#8  330  [R_0603_1608Metric]  118.74 146.63 0 top
R7  330  [R_0603_1608Metric]  168.21 124.38 0 top
R7#2  330  [R_0603_1608Metric]  143.72 62.22 0 top
R7#3  330  [R_0603_1608Metric]  127.08 39.86 0 top
R7#4  330  [R_0603_1608Metric]  135.41 170.12 0 top
R7#5  330  [R_0603_1608Metric]  143.78 17.58 0 top
R7#6  330  [R_0603_1608Metric]  143.72 85.77 0 top
R7#7  330  [R_0603_1608Metric]  143.72 109.33 0 top
R7#8  330  [R_0603_1608Metric]  135.41 146.63 0 top
R8  330  [R_0603_1608Metric]  184.88 124.38 0 top
R8#2  330  [R_0603_1608Metric]  160.38 62.22 0 top
R8#3  330  [R_0603_1608Metric]  143.75 39.86 0 top
R8#4  330  [R_0603_1608Metric]  152.08 170.12 0 top
R8#5  330  [R_0603_1608Metric]  160.45 17.58 0 top
R8#6  330  [R_0603_1608Metric]  160.38 85.77 0 top
R8#7  330  [R_0603_1608Metric]  160.38 109.33 0 top
R8#8  330  [R_0603_1608Metric]  152.08 146.63 0 top
R9  330  [R_0603_1608Metric]  201.55 124.38 0 top
R9#2  330  [R_0603_1608Metric]  177.05 62.22 0 top
R9#3  330  [R_0603_1608Metric]  160.42 39.86 0 top
R9#4  330  [R_0603_1608Metric]  168.74 170.12 0 top
R9#5  330  [R_0603_1608Metric]  177.11 17.58 0 top
R9#6  330  [R_0603_1608Metric]  177.05 85.77 0 top
R9#7  330  [R_0603_1608Metric]  177.05 109.33 0 top
R9#8  330  [R_0603_1608Metric]  168.74 146.63 0 top
R10  330  [R_0603_1608Metric]  218.21 124.38 0 top
R10#2  330  [R_0603_1608Metric]  193.72 62.22 0 top
R10#3  330  [R_0603_1608Metric]  177.08 39.86 0 top
R10#4  330  [R_0603_1608Metric]  185.41 170.12 0 top
R10#5  330  [R_0603_1608Metric]  193.78 17.58 0 top
R10#6  330  [R_0603_1608Metric]  193.72 85.77 0 top
R10#7  330  [R_0603_1608Metric]  193.72 109.33 0 top
R10#8  330  [R_0603_1608Metric]  185.41 146.63 0 top
R11  330  [R_0603_1608Metric]  234.88 124.38 0 top
R11#2  330  [R_0603_1608Metric]  210.38 62.22 0 top
R11#3  330  [R_0603_1608Metric]  193.75 39.86 0 top
R11#4  330  [R_0603_1608Metric]  202.08 170.12 0 top
R11#5  330  [R_0603_1608Metric]  210.45 17.58 0 top
R11#6  330  [R_0603_1608Metric]  210.38 85.77 0 top
R11#7  330  [R_0603_1608Metric]  210.38 109.33 0 top
R11#8  330  [R_0603_1608Metric]  202.08 146.63 0 top
R12  330  [R_0603_1608Metric]  251.55 124.38 0 top
R12#2  330  [R_0603_1608Metric]  227.05 62.22 0 top
R12#3  330  [R_0603_1608Metric]  210.42 39.86 0 top
R12#4  330  [R_0603_1608Metric]  218.74 170.12 0 top
R12#5  330  [R_0603_1608Metric]  227.11 17.58 0 top
R12#6  330  [R_0603_1608Metric]  227.05 85.77 0 top
R12#7  330  [R_0603_1608Metric]  227.05 109.33 0 top
R12#8  330  [R_0603_1608Metric]  218.74 146.63 0 top
R13  330  [R_0603_1608Metric]  243.72 62.22 0 top
R13#2  330  [R_0603_1608Metric]  227.08 39.86 0 top
R13#3  330  [R_0603_1608Metric]  235.41 170.12 0 top
R13#4  330  [R_0603_1608Metric]  243.78 17.58 0 top
R13#5  330  [R_0603_1608Metric]  243.72 85.77 0 top
R13#6  330  [R_0603_1608Metric]  243.72 109.33 0 top
R13#7  330  [R_0603_1608Metric]  235.41 146.63 0 top
R14  330  [R_0603_1608Metric]  260.38 62.22 0 top
R14#2  330  [R_0603_1608Metric]  243.75 39.86 0 top
R14#3  330  [R_0603_1608Metric]  252.08 170.12 0 top
R14#4  330  [R_0603_1608Metric]  260.45 17.58 0 top
R14#5  330  [R_0603_1608Metric]  260.38 85.77 0 top
R14#6  330  [R_0603_1608Metric]  260.38 109.33 0 top
R14#7  330  [R_0603_1608Metric]  252.08 146.63 0 top
R15  330  [R_0603_1608Metric]  277.05 62.22 0 top
R15#2  330  [R_0603_1608Metric]  260.42 39.86 0 top
R15#3  330  [R_0603_1608Metric]  268.74 170.12 0 top
R15#4  330  [R_0603_1608Metric]  277.11 17.58 0 top
R15#5  330  [R_0603_1608Metric]  277.05 85.77 0 top
R15#6  330  [R_0603_1608Metric]  277.05 109.33 0 top
R15#7  330  [R_0603_1608Metric]  268.74 146.63 0 top